# Altium PCB RYA_KiteUp_RC.PcbDoc
Units mil, origin at the board's own origin, x right, y up, seen from the top; angles counter-clockwise.
Board outline 3155.26 x 2833.27 mil, 2 copper layers (Top Layer, Bottom Layer); 70 components, 46 nets, 270 pads, 561 vias.
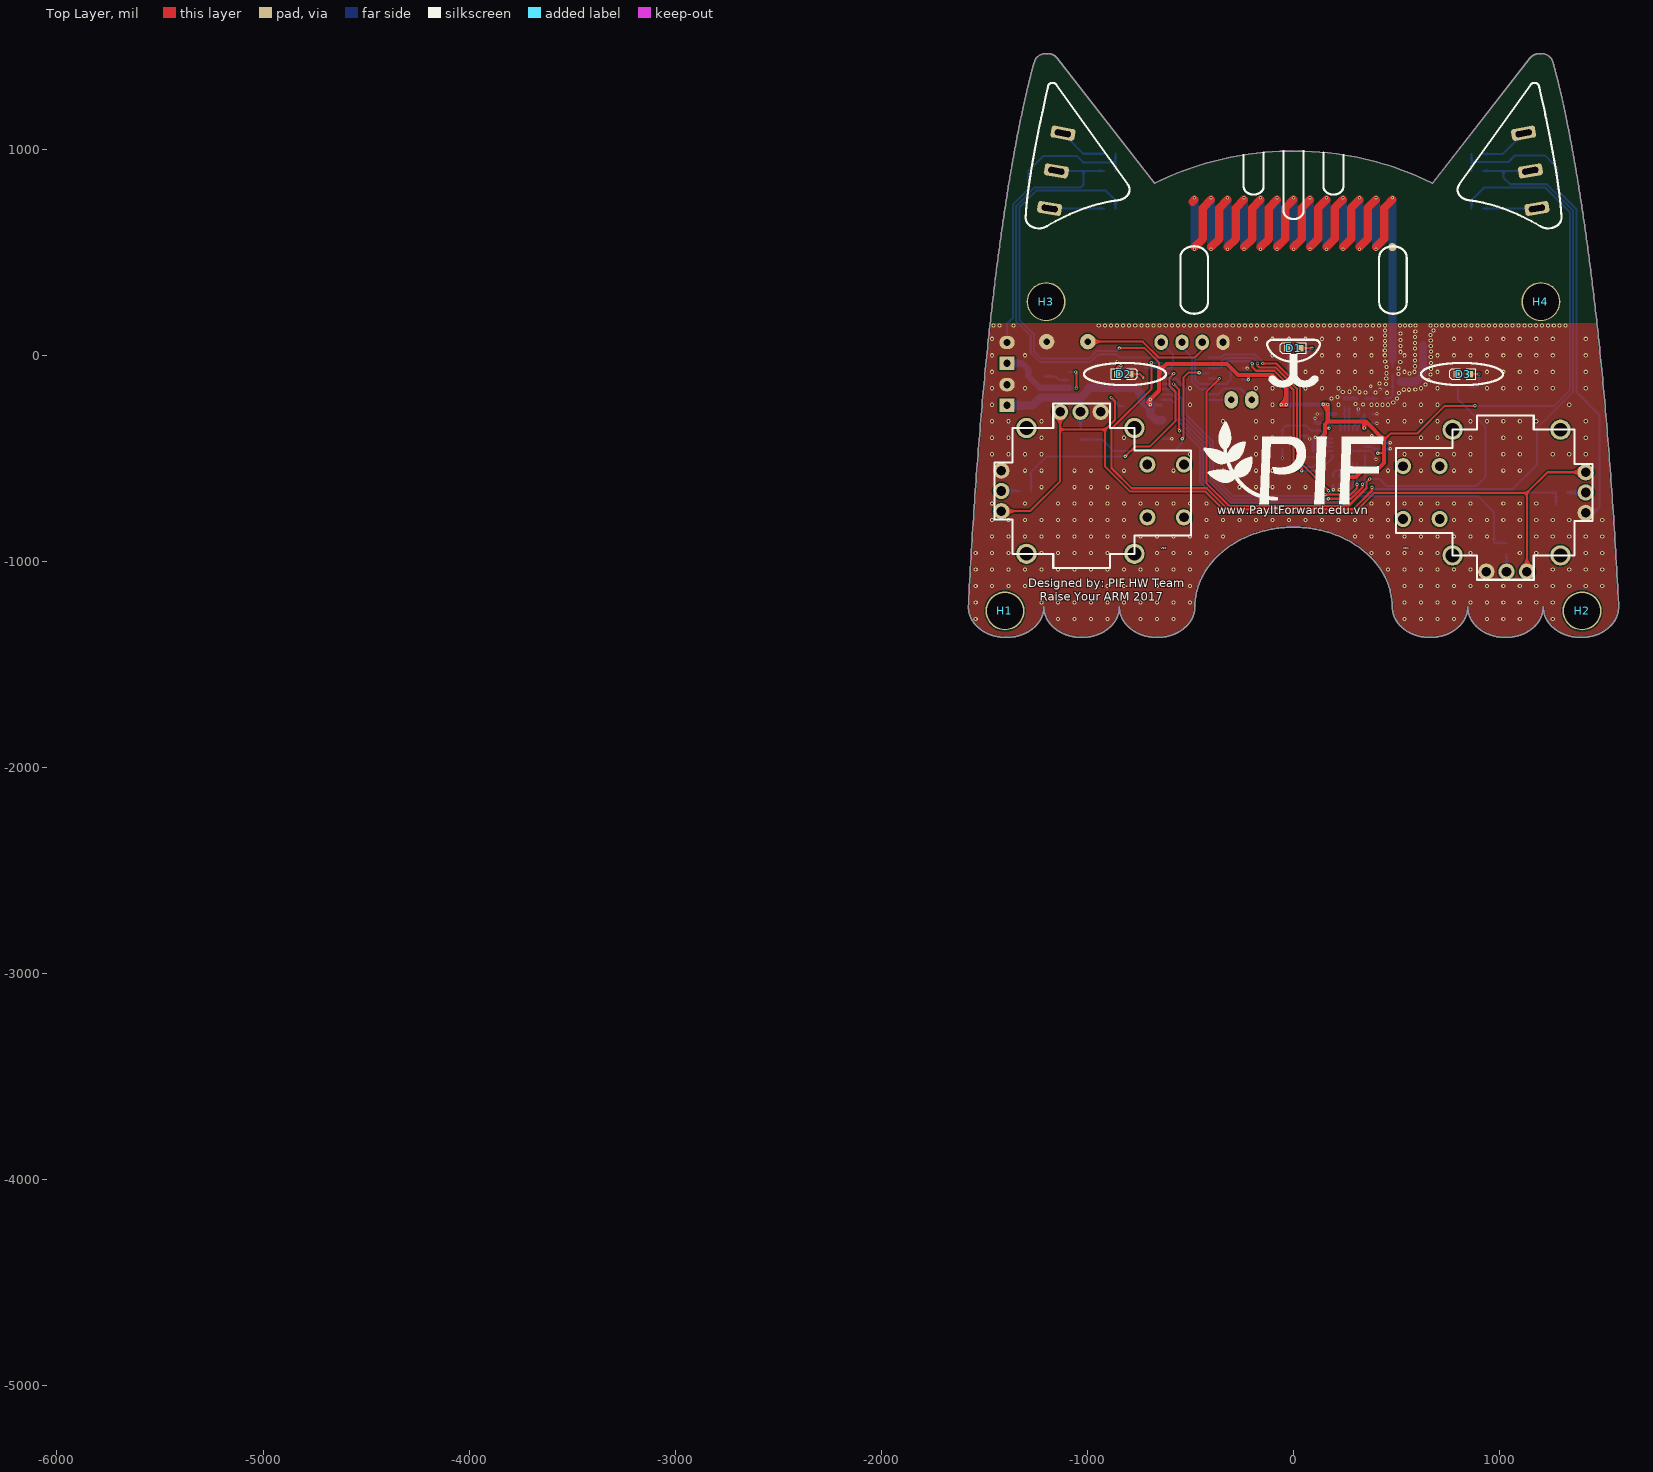
[diagram p0: Top Layer view]
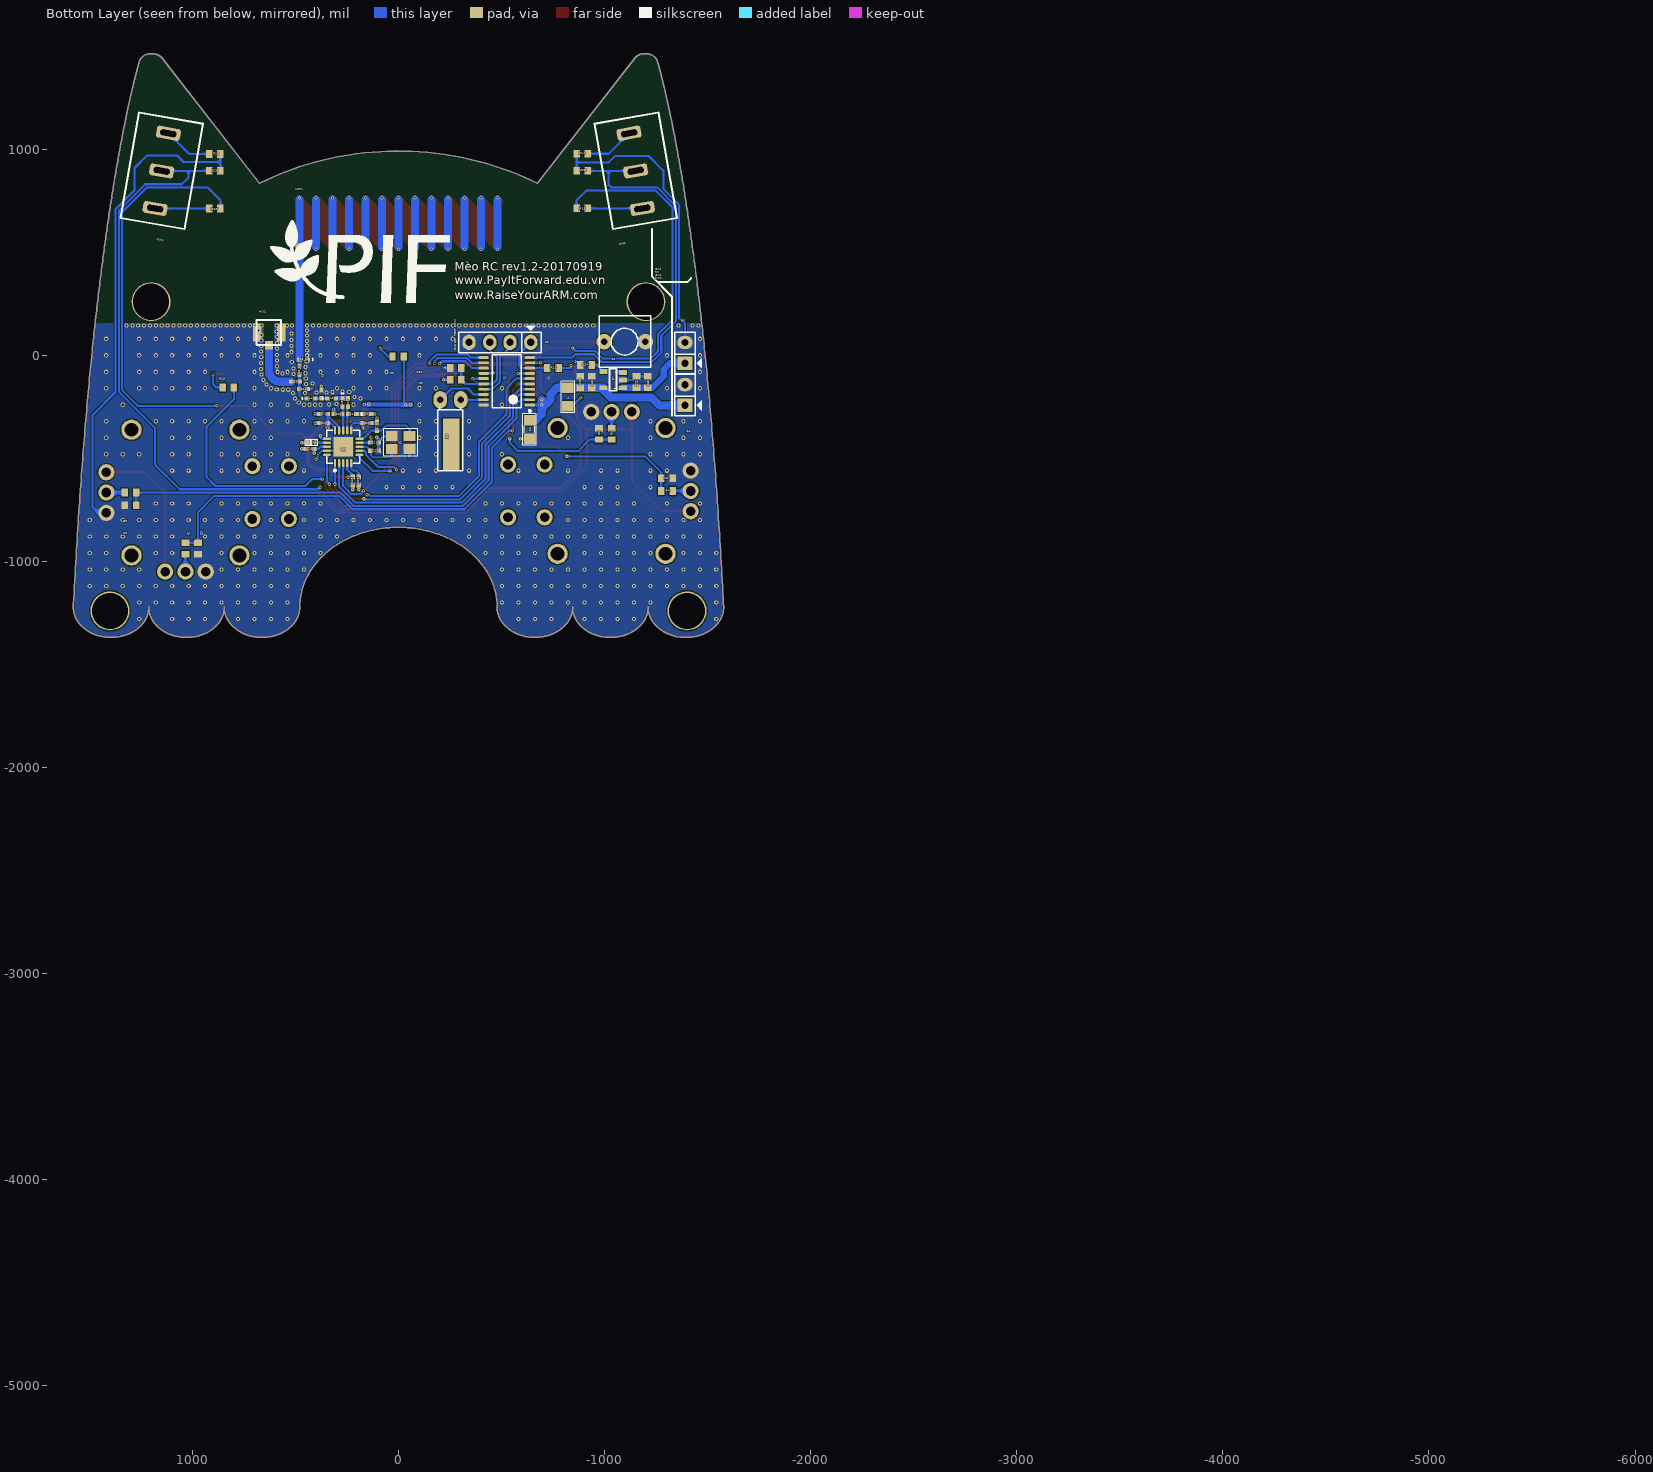
[diagram p1: Bottom Layer view, seen from below]

## Layer stack, top to bottom
Top Solder: solder mask 0.4, Solder Resist, Dk 3.5
Top Layer: signal copper 1.4
Dielectric 1: dielectric 12.6, FR-4, Dk 4.8
Bottom Layer: signal copper 1.4
Bottom Solder: solder mask 0.4, Solder Resist, Dk 3.5

## Board outline
1782 vertices, not listed, extent -1577.37,-1369 1577.89,1464.27

## Design rules (kind name [scope] priority, off if disabled: settings)
Clearance [All] p1: gap=6 ignorepadtopadclearanceinfootprint=FALSE
ComponentClearance [All] p1 off: gap=10 collisioncheckmode=3 verticalgap=10 showdistances=FALSE
DiffPairsRouting [All] p1: maxlimit=10 minlimit=10 mostfreqgap=10 toplayer_minwidth=10 toplayer_maxwidth=15 toplayer_prefwidth=15 bottomlayer_minwidth=10 bottomlayer_maxwidth=15 bottomlayer_prefwidth=15 maxuncoupledlength=500
Height [All] p1: minheight=0 maxheight=2000 prefheight=500
HoleSize [All] p1: absolutevalues=TRUE maxlimit=500 minlimit=8 maxpercent=80.000 minpercent=20.000
MinimumSolderMaskSliver [All] p1 off: minsoldermaskwidth=8
PolygonConnect [All] p1: connectstyle=Direct reliefconductorwidth=10 reliefentries=4 polygonreliefangle="90 Angle" airgapwidth=10
RoomDefinition Sheet2 [InComponentClass('Sheet2')] p1 off: confinementstyle=ConfineIn formatcopy=TRUE lockcomponents=FALSE outline -6022,-5280 -4022,-5280 -4022,-4280 -6022,-4280
RoutingVias [All] p1: holewidth=8 width=16 viastyle="Through Hole" minholewidth=8 minwidth=12 maxholewidth=25 maxwidth=50
ShortCircuit [All] p1 off: allowed=FALSE
SilkToSilkClearance [All] p1 off: silktosilkclearance=10
SilkToSolderMaskClearance [IsPad] p1 off: minsilkscreentomaskgap=10 clearancetoexposedcopper=TRUE
SolderMaskExpansion [All] p1: expansion=4 soldermaskfromhole=TRUE
Width "Power rule" [InNetClass('Power class')] p1: maxlimit=100 minlimit=10 preferedwidth=20 minimp=50.000000 maximp=50.000000 favimp=50.000000
Width [All] p2: maxlimit=100 minlimit=6 preferedwidth=10 minimp=50.000000 maximp=50.000000 favimp=50.000000
22 further rules are at their usual default settings.

## Components (designator, comment, footprint, x,y, rotation, side; value= is the part's Value field where it differs from the comment)
ANT1 "Socket" 433_Antenna 480,525 r180 bottom
C1 "Cap Non-Pol SMD" CAP-SM-0805 -636,-315 r270 bottom value=104
C2 "Cap Non-Pol SMD" CAP-SM-0603 1301,-727 r180 bottom value=104
C3 "Cap Non-Pol SMD" CAP-SM-0603 973,-937.44 r90 bottom value=104
C4 "Cap Non-Pol SMD" CAP-SM-0603 -1302,-597 r0 bottom value=104
C5 "Cap Non-Pol SMD" CAP-SM-0603 -973,-381 r270 bottom value=104
C6 "" 0402 153,-285 r0 bottom locked
C7 "" 0402 245.81,-228.7 r90 bottom locked
C8 "" 0402 500,-128 r0 bottom locked
C9 "" 0402 373,-189 r270 bottom locked
C9_1 "" 0402 480,-73 r270 bottom locked
C10 "Cap Non-Pol SMD" CAP-SM-0603 -277.56,-62 r0 bottom value=104
C11 "" 0402 461,-164 r0 bottom locked
C12 "" 0402 294,-285 r0 bottom locked
C13 "100nF-16V" 0402 222,-610.69 r90 bottom
C14 "100nF-16V" 0402 115.45,-423.82 r180 bottom locked
C15 "100nF-16V" 0402 153,-329 r180 bottom locked
C16 "100nF-16V" 0402 363,-284 r0 bottom locked
C17 "100nF-16V" 0402 363,-329 r0 bottom locked
C18 "100nF-16V" 0402 428.84,-454 r0 bottom locked
C19 "100nF-16V" 0402 193,-611 r90 bottom
C20 "10pF-50V" 0402 104,-346 r270 bottom locked
C21 "10pF-50V" 0402 115.45,-463 r0 bottom locked
C22 "Cap Non-Pol SMD" CAP-SM-0603 -882,-129 r270 bottom value=104
C23 "Cap Non-Pol SMD" CAP-SM-0603 -1155,-130 r270 bottom value=104
C24 "Cap Non-Pol SMD" CAP-SM-0603 -910,-47 r180 bottom value=104
C25 "Cap Non-Pol SMD" CAP-SM-0603 891.44,895 r0 bottom value=104
C26 "Cap Non-Pol SMD" CAP-SM-0603 -891.44,895 r180 bottom value=104
C30 "Cap Non-Pol SMD" CAP-SM-0603 -1210,-130 r270 bottom value=10u
C31 "Cap Non-Pol SMD" CAP-SM-0603 -937,-129 r270 bottom value=10u
D1 "LED" LED_0603_Blue 1,35 r180 top
D2 "LED" LED_0603_Blue -824,-91 r0 top
D3 "LED" LED_0603_Blue 824,-91 r180 top
H1 "Hole" "Screw 3.0"#1 -1420.28,-1260.87 r0 top
H2 "Hole" "Screw 3.0"#2 1380,-1260.87 r0 top
H3 "Hole" "Screw 3.0"#1 -1220.28,239.13 r0 top
H4 "Hole" "Screw 3.0"#1 1179.72,239.13 r0 top
HD1 "U.FL" PCBComponent_1#1 628,49 r270 bottom value="Header 3"
L1 "Ferrite bead" "FERRITE SMD 0805" -822,-247 r90 bottom
L2 "" 0402-A 223,-285 r0 bottom locked
L3 "" 0402-A 324,-209 r180 bottom locked
L4 "" 0402-A 424,-209 r180 bottom locked
L5 "" 0402-A 272.24,-228.7 r270 bottom locked
L5_1 "" 0402-A 460,-21 r0 bottom locked
P2 "Header 4" JP4 -542,63 r0 bottom
P3 "Header 2" JP2 -1390,-39 r90 bottom
P4 "Header 2" JP2 -1390,-243 r90 bottom
R1 "Res SMD" RES-SM-0603 1034,-910.44 r270 bottom value=10K
R2 "Res SMD" RES-SM-0603 -1034,-408 r90 bottom value=10K
R3 "Res SMD" RES-SM-0603 1328,-666 r180 bottom value=10K
R4 "Res SMD" RES-SM-0603 -1329,-658 r0 bottom value=10K
R5 "Res SMD" RES-SM-0603 -304.56,-118 r0 bottom value=10K
R8 "56k-1%" RES-SMD-0402 423,-424 r180 bottom locked
R9 "Res SMD" RES-SM-0603 28.56,-6 r180 bottom value=1K
R10 "Res SMD" RES-SM-0603 918.44,712 r180 bottom value=10K
R11 "Res SMD" RES-SM-0603 864.44,977 r0 bottom value=10K
R12 "Res SMD" RES-SM-0603 -776,-62 r0 bottom value=1K
R13 "Res SMD" RES-SM-0603 853,-156 r180 bottom value=1K
R14 "Res SMD" RES-SM-0603 -864.44,978 r180 bottom value=10K
R15 "Res SMD" RES-SM-0603 -918.44,713 r0 bottom value=10K
S1 "Tact SW - 2Pin" SW2 -998,66 r180 bottom locked
SW1 "SW3" PCBComponent_1#2 1149,895 r10 bottom locked
SW2 "" PCBComponent_1#2 -1151,895 r350 bottom locked
U1 "MSP430G2553" TSSOP20 -525,-126 r0 bottom locked
U2 "CC110LRGPR" VQFN20 268.45,-443.82 r90 bottom locked
U3 "LN2995" SOT23-5 -1089,-157.4 r90 bottom locked
VR1 "50K" PCBComponent_1#3 774.04,-357.49 r270 top locked value="Volume Dual 50K"
VR2 "50K" PCBComponent_1#3 -774.04,-966.55 r90 top locked value="Volume Dual 50K"
X1 "32,768 Khz" "XTAL 32KN" -202,-216 r270 bottom value=32,768khz
X2 "26.0000MHZ" "Crystal SMD 3.2x2.5" -51.65,-393.97 r0 bottom locked

## Footprints (in the part's own frame and the unit in brackets; to place one, negate y for a bottom-side part, rotate by r counter-clockwise, add the part's x,y. Pads: shape width x height; smd on the part's side, far side on the other; paste and mask are expansions set on the pad)
0402 [mm] "Chip Capacitor, Body 1.0x0.5mm, IPC High Density"
  rect 0.6x0.5 smd: 1(-0.5,0) 2(0.5,0)
  body extent -0.55,-0.3 0.55,0.3, height 1.3
0402-A [mm] "Chip Inductor, Body 1.0x0.5mm, IPC High Density"
  rect 0.6x0.5 smd: 1(-0.5,0) 2(0.5,0)
  silkscreen extent -1.1,-0.15 -1.1,0.15, body extent -0.55,-0.3 0.55,0.3, height 0.55
433_Antenna [mil]
  round 40 all layers, no hole: 1(0,0)
  Top Layer lines w40: 960,0 960,230 ; 880,0 880,230 ; 800,0 800,230 ; 720,0 720,230 ; 640,0 640,230 ; 560,0 560,230 ; 480,0 480,230 ; 400,0 400,230 ; 320,0 320,230 ; 240,0 240,230 ; 160,0 160,230 ; 80,0 80,230 ; 0,0 0,230
  Bottom Layer lines w40: 970,220 960,230 ; 960,0 920,40 920,190 880,230 ; 880,0 840,40 840,190 800,230 ; 800,0 760,40 760,190 720,230 ; 720,0 680,40 680,190 640,230 ; 640,0 600,40 600,190 560,230 ; 560,0 520,40 520,190 480,230 ; 480,0 440,40 440,190 400,230 ; 400,0 360,40 360,190 320,230 ; 320,0 280,40 280,190 240,230 ; 240,0 200,40 200,190 160,230 ; 160,0 120,40 120,190 80,230 ; 80,0 40,40 40,190 30,200 0,230
CAP-SM-0603 [mm] "SMD Ceramic Capacitor Size 0603"
  rect 0.8x0.95 smd: 1(-0.7,0) 2(0.7,0)
  body extent -0.85,-0.45 0.85,0.45, height 0.6
CAP-SM-0805 [mil]
  rect 50x55 smd: 1(0,0) 2(90,0)
  silkscreen extent -32,-34 121,33, body extent 6,-25 84,25, height 31
"Crystal SMD 3.2x2.5" [mm]
  rect 1.45x1.25 smd: 1(-0.05,-0.05) 2(2.15,-0.05) 3(2.15,1.55) 4(-0.05,1.55)
  silkscreen extent -1.05,-0.95 3.15,2.45, body extent -0.55,-0.5 2.65,2, height 0.77
"FERRITE SMD 0805" [mil]
  rect 50x55 smd: 1(0,0) 2(90,0)
  silkscreen extent -32,-34 121,33, body extent 6,-25 84,25, height 33
JP2 [mil]
  rect 65x75 hole 36: 1(0,0)
  oval 65x75 hole 36: 2(101,0)
  silkscreen extent -50,-81 150,50, body extent -48,-50 148,48, height 323
JP4 [mil] "Jumper 4"
  oval 65x75 hole 36: 1(-100,0) 2(1,0) 3(99,0) 4(200,0)
  silkscreen extent -150,-81 250,50, body extent -148,-48 248,50, height 323
LED_0603_Blue [mm] "Chip LED, 2-Leads, Body 1.6x0.8mm, IPC Medium Density"
  rect 0.8x0.8 smd: 1(-0.8,0) 2(0.8,0)
  silkscreen extent -1.52,-0.64 1.65,0.64, body extent -0.8,-0.4 0.8,0.4, height 0.7
PCBComponent_1#1 [mm]
  rect 1.05x1 smd: 1(0,0)
  rect 2.2x1.05 smd: 2(-1.575,1.475) 3(-1.575,-1.475)
  silkscreen extent -3.13,-1.53 -0.05,1.45
PCBComponent_1#2 [mm]
  rrect50% 3x1.5 hole 0.75 slot 2 at 0 deg: 1(0,4.7) 2(0,0) 3(0,-4.7)
  silkscreen extent -4,-6.6 4,6.6
PCBComponent_1#3 [mm]
  round 2 hole 1.2: 1(17.585,9.098) 2(17.585,6.598) 3(17.585,4.098) 4(5.335,16.348) 5(7.835,16.348) 6(10.335,16.348) ""(4.585,-1.652) ""(4.585,-6.152) ""(11.085,-1.652) ""(11.085,-6.152)
  round 2.5 hole 1.7: ""(0.085,13.248) ""(0.085,-0.052) ""(15.585,13.248) ""(15.585,-0.052)
  silkscreen extent -1.67,-7.05 18.58,17.2, body extent -5.41,-9.07 20.89,19.97, height 29.5
RES-SM-0603 [mm]
  rect 0.8x0.95 smd: 1(-0.014,0) 2(1.386,0)
  body extent -0.11,-0.4 1.49,0.4, height 0.3
RES-SMD-0402 [mm]
  rect 0.4x0.6 smd: 1(-0.5,0) 2(0.5,0)
  silkscreen extent -0.76,-0.38 0.76,0.38, body extent -0.5,-0.25 0.5,0.25, height 0.35
"Screw 3.0"#1 [mm] "Hole 3.0mm"
  round 4.8 hole 4.45 mask+0.1: 1(0.515,0.53)
"Screw 3.0"#2 [mm] "Hole 3.0mm"
  round 4.8 hole 4.45 mask+0.1: 1(0.508,0.53)
SOT23-5 [mm]
  rect 0.6x1 smd: 1(0,0) 2(0.95,0) 3(1.9,0) 4(2,2.4) 5(0,2.4)
  silkscreen extent -0.38,0.79 2.34,1.65, body extent -0.51,-0.06 2.49,2.44, height 1.1
SW2 [mil] "SW button 2pin, 250x 250 mil"
  round 75 hole 31: 1(0,0) 2(200,0)
  silkscreen extent -25,-125 225,125
TSSOP20 [mm] "TSSOP, 20-Leads, Body 6.50x4.40mm, Pitch 0.65mm, IPC High Density"
  oval 1.3x0.35 smd: 1(-2.85,2.925) 2(-2.85,2.275) 3(-2.85,1.625) 4(-2.85,0.975) 5(-2.85,0.325) 6(-2.85,-0.325) 7(-2.85,-0.975) 8(-2.85,-1.625) 9(-2.85,-2.275) 10(-2.85,-2.925) 11(2.85,-2.925) 12(2.85,-2.275) 13(2.85,-1.625) 14(2.85,-0.975) 15(2.85,-0.325) 16(2.85,0.325) 17(2.85,0.975) 18(2.85,1.625) 19(2.85,2.275) 20(2.85,2.925)
  silkscreen extent -2.97,-3.25 1.8,3.77, body extent -3.23,-3.3 3.23,3.3, height 1.25
VQFN20 [mm]
  rect 1x0.28 smd: 1(-2,1)
  oval 1x0.28 smd: 2(-2,0.5) 3(-2,0) 4(-2,-0.5) 5(-2,-1) 11(2,-1) 12(2,-0.5) 13(2,0) 14(2,0.5) 15(2,1)
  oval 0.28x1 smd: 6(-1,-2) 7(-0.5,-2) 8(0,-2) 9(0.5,-2) 10(1,-2) 16(1,2) 17(0.5,2) 18(0,2) 19(-0.5,2) 20(-1,2)
  rect 2.4x2.4 smd: 21(0,0)
  silkscreen extent -3.05,-2.03 2.03,2.03, body extent -2.07,-2.18 2.03,1.92, height 1.1
"XTAL 32KN" [mil] "Crystal for 32,768kHz, 2pin"
  oval 85x65 hole 31: 1(0,0) 2(0,100)
  rect 250x80 smd: 3(215,55)
  silkscreen extent 34,-12 345,109, body extent -11,-1 339,111, height 79

## Part data
C1 C2 C3 C4 C5 C10 C22 C23 C24 C25 C26 C30 C31: "Capacitor"
C6 C8: library part 3.3pF-50V-C0402-0.25pF, "CAP CER 3.9PF 50V NP0 0402", Capacitance=220pF, Manufacturer="Murata Electronics North America", Manufacturer Part Number=GRM1555C1H221JA01D, Operating Temperature="-55°C ~ 125°C", Package / Case=0402, Ratings=-, Supplier Part Number 1=490-1293-2-ND, Temperature Coefficient="C0G, NP0", Tolerance=±5%, Voltage - Rated=50V, Applications="General Purpose", Category=Capacitors, ComponentLink1Description=http://www.murata.com/~/media/webrenewal/support/library/catalog/products/capacitor/mlcc/c02e.pdf, ComponentLink1URL=http://www.murata.com/~/media/webrenewal/support/library/catalog/products/capacitor/mlcc/c02e.pdf, Features=-, Height - Seated (Max)=-, Lead Spacing=-, Lead Style=-, Mounting Type="Surface Mount, MLCC", Packaging="Tape & Reel (TR)", Pricing 1="10000=0.00336, 20000=0.0032, 30000=0.00304, 50000=0.00272, 100000=0.0022 (USD)", RoHS="RoHS Compliant", Size / Dimension="0.039\" L x 0.020\" W (1.00mm x 0.50mm)", Stock 1=470000, Supplier 1=Digi-Key, Thickness (Max)="0.022\" (0.55mm)"
C7 C12: library part 3.3pF-50V-C0402-0.25pF, "CAP CER 3.9PF 50V NP0 0402", Capacitance=3.9pF, Manufacturer="Murata Electronics North America", Manufacturer Part Number=GRM1555C1H3R9CZ01D, Operating Temperature="-55°C ~ 125°C", Package / Case=0402, Ratings=-, Supplier Part Number 1=490-1272-2-ND, Temperature Coefficient="C0G, NP0", Tolerance=±0.25pF, Voltage - Rated=50V, Applications="General Purpose", Category=Capacitors, ComponentLink1Description=http://media.digikey.com/pdf/Data%20Sheets/Murata%20PDFs/Chip%20Monolithic%20Ceramic%20Caps.pdf, ComponentLink1URL=http://media.digikey.com/pdf/Data%20Sheets/Murata%20PDFs/Chip%20Monolithic%20Ceramic%20Caps.pdf, Features=-, Height - Seated (Max)=-, Lead Spacing=-, Lead Style=-, Mounting Type="Surface Mount, MLCC", Packaging="Tape & Reel (TR)", Pricing 1="10000=0 (USD)", RoHS="RoHS Compliant", Size / Dimension="0.039\" L x 0.020\" W (1.00mm x 0.50mm)", Stock 1=0, Supplier 1=Digi-Key, Thickness (Max)="0.022\" (0.55mm)"
C9: library part 8.2pF-50V-C0402-0.5pF, "GRM1555C1H8R2CZ01D", Capacitance=8.2pF, Manufacturer="Murata Electronics North America", Operating Temperature="-55°C ~ 125°C", Package / Case=0402, Ratings=-, Supplier Part Number 1=GRM1555C1H8R2CZ01D-ND, Temperature Coefficient="C0G, NP0", Tolerance=±0.25pF, Voltage - Rated=50V, Applications="General Purpose", Category=Capacitors, ComponentLink1Description=http://media.digikey.com/pdf/Data%20Sheets/Murata%20PDFs/Chip%20Monolithic%20Ceramic%20Caps.pdf, ComponentLink1URL=http://media.digikey.com/pdf/Data%20Sheets/Murata%20PDFs/Chip%20Monolithic%20Ceramic%20Caps.pdf, Features=-, Height - Seated (Max)=-, Lead Spacing=-, Lead Style=-, Manufacturer Part Number=GRM1555C1H8R2CZ01D, Mounting Type="Surface Mount, MLCC", Packaging="Tape & Reel (TR)", Pricing 1="60000=0 (USD)", RoHS="RoHS Compliant", Size / Dimension="0.039\" L x 0.020\" W (1.00mm x 0.50mm)", Stock 1=0, Supplier 1=Digi-Key, Thickness (Max)="0.022\" (0.55mm)"
C9_1: library part 3.3pF-50V-C0402-0.25pF, "CAP CER 3.9PF 50V NP0 0402", Capacitance=0.9pf, Manufacturer="Murata Electronics North America", Manufacturer Part Number=GRM1555C1H221JA01D, Operating Temperature="-55°C ~ 125°C", Package / Case=0402, Ratings=-, Supplier Part Number 1=490-1293-2-ND, Temperature Coefficient="C0G, NP0", Tolerance=±5%, Voltage - Rated=50V, Applications="General Purpose", Category=Capacitors, ComponentLink1Description=http://www.murata.com/~/media/webrenewal/support/library/catalog/products/capacitor/mlcc/c02e.pdf, ComponentLink1URL=http://www.murata.com/~/media/webrenewal/support/library/catalog/products/capacitor/mlcc/c02e.pdf, Features=-, Height - Seated (Max)=-, Lead Spacing=-, Lead Style=-, Mounting Type="Surface Mount, MLCC", Packaging="Tape & Reel (TR)", Pricing 1="10000=0.00336, 20000=0.0032, 30000=0.00304, 50000=0.00272, 100000=0.0022 (USD)", RoHS="RoHS Compliant", Size / Dimension="0.039\" L x 0.020\" W (1.00mm x 0.50mm)", Stock 1=470000, Supplier 1=Digi-Key, Thickness (Max)="0.022\" (0.55mm)"
C11: library part 5.6pF-50V-C0402-0.5pF, "CAP CER 5.6PF 50V NP0 0402", Capacitance=5.6pF, Manufacturer="Murata Electronics North America", Manufacturer Part Number=GRM1555C1H5R6CZ01D, Operating Temperature="-55°C ~ 125°C", Package / Case=0402, Ratings=-, Supplier Part Number 1=GRM1555C1H5R6CZ01D-ND, Temperature Coefficient="C0G, NP0", Tolerance=±0.25pF, Voltage - Rated=50V, Applications="General Purpose", Category=Capacitors, ComponentLink1Description=http://media.digikey.com/pdf/Data%20Sheets/Murata%20PDFs/Chip%20Monolithic%20Ceramic%20Caps.pdf, ComponentLink1URL=http://media.digikey.com/pdf/Data%20Sheets/Murata%20PDFs/Chip%20Monolithic%20Ceramic%20Caps.pdf, Features=-, Height - Seated (Max)=-, Lead Spacing=-, Lead Style=-, Mounting Type="Surface Mount, MLCC", Packaging="Tape & Reel (TR)", Pricing 1="60000=0 (USD)", RoHS="RoHS Compliant", Size / Dimension="0.039\" L x 0.020\" W (1.00mm x 0.50mm)", Stock 1=0, Supplier 1=Digi-Key, Thickness (Max)="0.022\" (0.55mm)"